# Allegro board PCIE_FIBER_BOARD-1116.brd (continued)
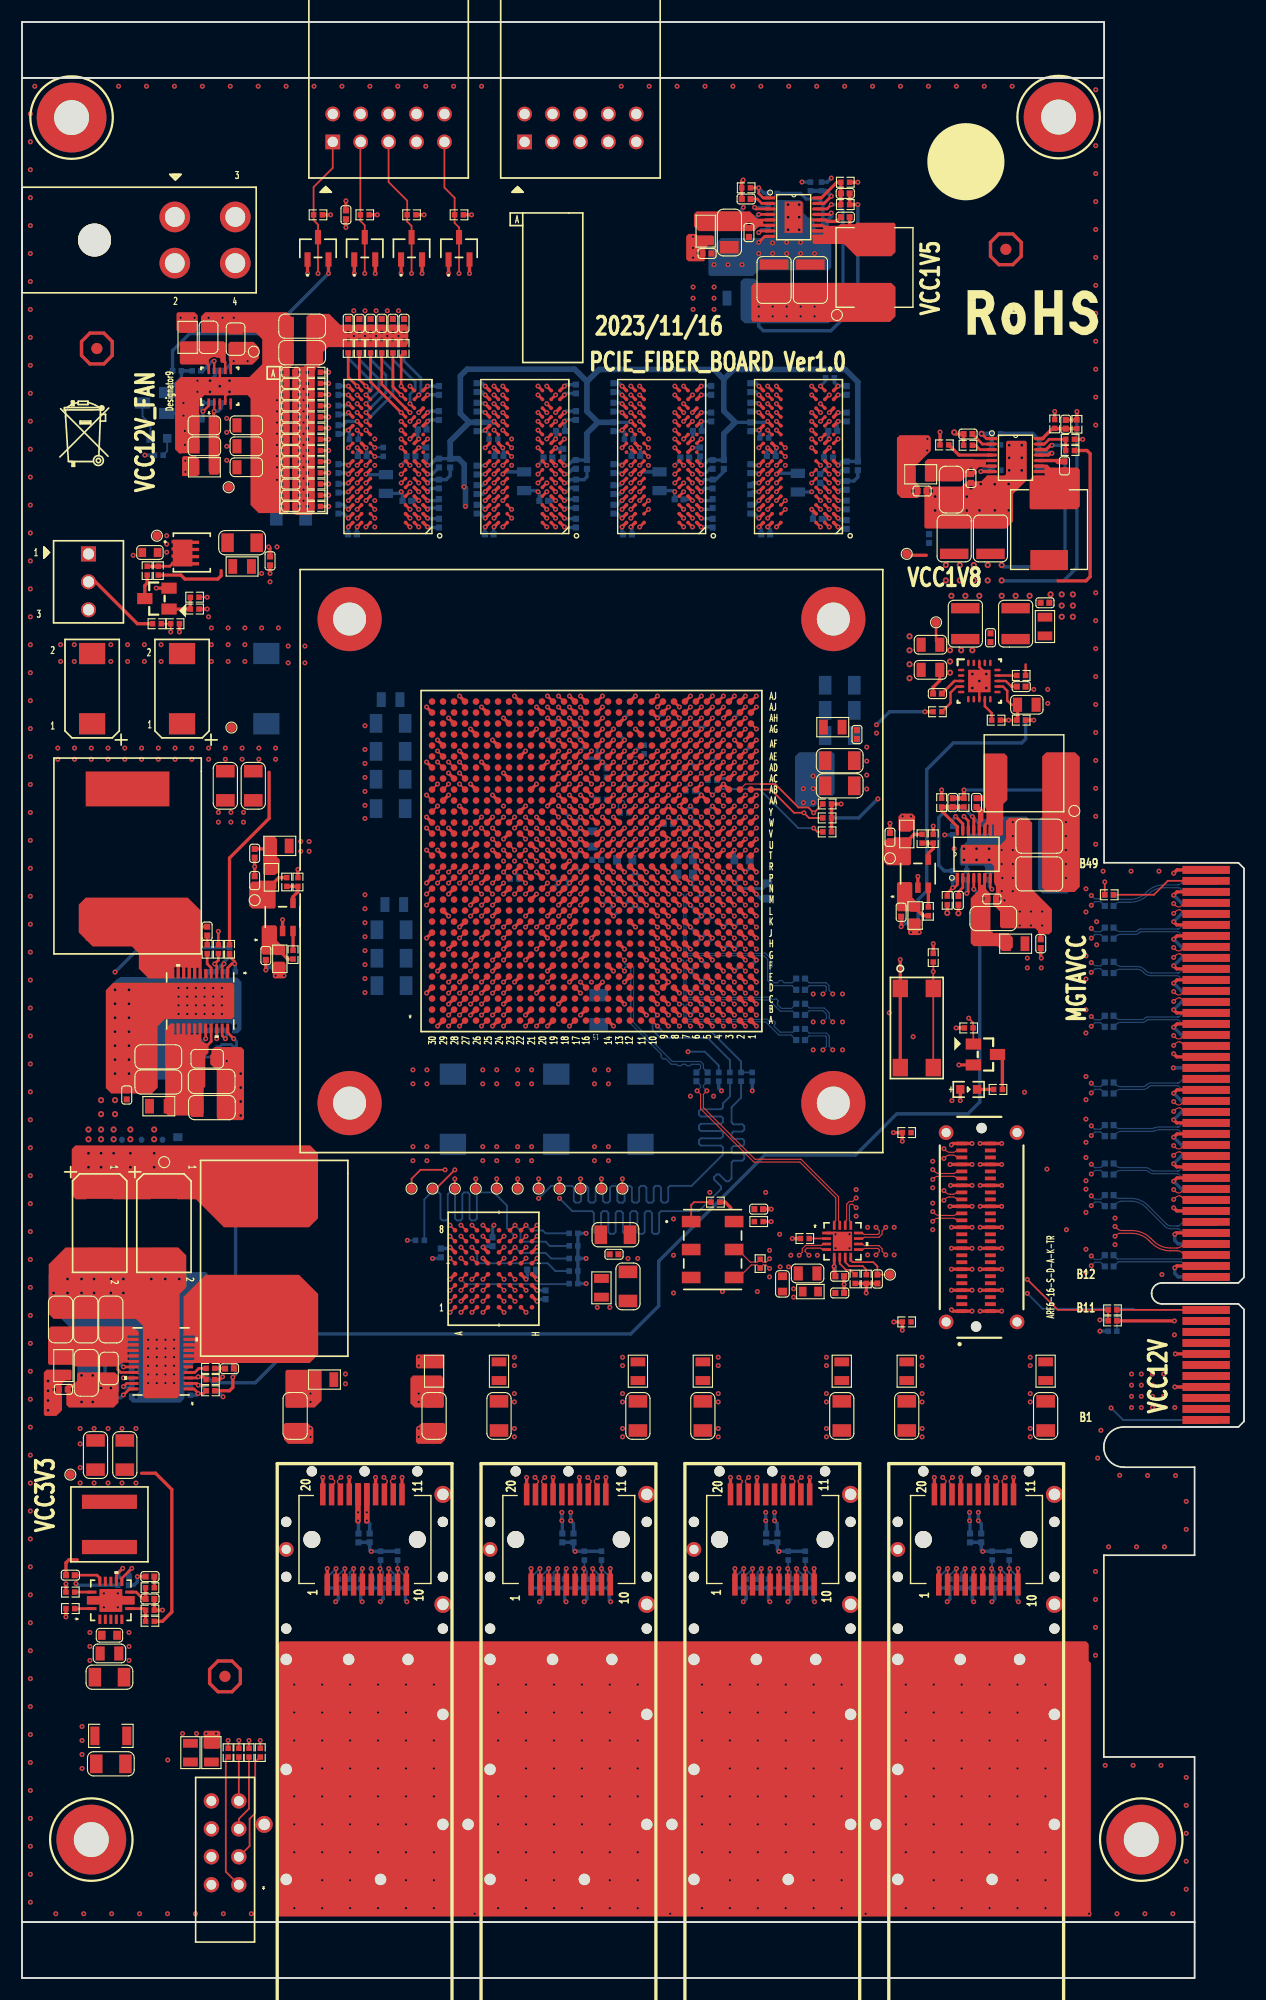
[diagram p0: board, top side]
## Routing (per net, layer and track width the routed paths; a pad name or vN(x,y) marks a point on that pad's centre or on a via; arc(x,y) is an arc through that point) (continued)
VCC1V5: length 34.6
  TOP w0.254: v1(73.61,161.2) 73.22,160.81 U116.14
  TOP w0.305: v1(76.03,161.2) R1072.2 C1192.2
  BOTTOM w0.305: 73.28,151.77 74.17,151.77 74.68,152.27 74.68,160.66 74.13,161.2 v1(73.61,161.2) ; v1(67.01,151.04) 67.01,150.15 67.43,149.73 73.57,149.73 76.03,152.18 v1(76.03,161.2)
  vias: v1(14.86,137.92) v1(14.86,136.91) v1(67.01,151.93) v1(68.28,151.93) v1(68.28,151.04) v1(69.55,151.93) v1(69.55,151.04) v1(70.82,151.93) v1(70.82,151.04) v1(72.09,151.93) v1(72.09,151.04)
VCC1V5_FPGA: length 135
  TOP w0.305: U76.F1 v1(74.23,135.9) ; v1(68.63,139.1) 68.23,139.5 U76.K8 ; U76.G7 v1(68.63,136.7) ; U76.D2 v1(73.43,134.3) ; U77.C1 v1(36.89,133.5) ; U247.AC13 v1(54.8,109.53) ; U76.K2 v1(73.43,139.9) ; U247.AK2 v1(65.8,116.53) ; U75.K8 56.18,139.1 v1(56.18,139.1) ; U76.B2 v1(73.43,132.7) ; U247.AH18 v1(48.8,114.53) ; U247.AJ5 v1(62.8,115.53) ; U78.F1 v1(49.34,135.9) ; U75.H9 v1(54.58,137.5) ; U76.H2 v1(73.43,137.5) ; U78.K8 43.73,139.1 v1(43.73,139.1) ; U77.K2 v1(36.09,139.9) ; U75.C1 v1(61.78,133.5) ; U77.A1 v1(36.89,131.9) ; U247.AF4 v1(63.8,112.53) ; U77.N1 v1(36.89,142.3) ; U77.C9 v1(29.69,133.5) ; U76.C1 v1(74.23,133.5) ; U75.A1 v1(61.78,131.9) ; U78.H9 v1(42.14,137.5) ; U76.N1 v1(74.23,142.3) ; U76.A8 v1(67.83,131.9) ; U78.D9 v1(42.13,134.3) ; U78.E9 v1(42.13,135.1) ; U77.H9 v1(29.69,137.5) ; U247.AD10 v1(57.8,110.53) ; U247.AJ15 v1(52.8,115.53) ; U77.K8 v1(31.29,139.1) ; U75.N9 v1(54.58,142.3) ; U76.N9 v1(67.03,142.3) ; U75.R1 v1(61.78,143.9) ; U75.H2 v1(60.98,137.5) ; U77.F1 v1(36.89,135.9) ; U76.R9 v1(67.03,143.9) ; U78.C1 v1(49.34,133.5) ; U77.B2 v1(36.09,132.7) ; U75.D2 v1(60.98,134.3) ; U77.R9 v1(29.69,143.9) ; U247.AH8 v1(58.8,113.53) ; U78.C9 v1(42.13,133.5) ; U78.A1 v1(49.34,131.9) ; U75.K2 v1(60.98,139.9) ; U78.B2 v1(48.54,132.7) ; U78.N1 v1(49.34,142.3) ; U76.D9 v1(67.03,134.3) ; U75.E9 v1(54.58,135.1) ; U75.B2 v1(60.98,132.7) ; U247.AK12 v1(55.8,116.53) ; U78.K2 v1(48.54,139.9) ; U76.C9 v1(67.03,133.5) ; U78.R1 v1(49.34,143.9) ; U75.F1 v1(61.78,135.9) ; U247.AA19 v1(47.8,106.53) ; U76.R1 v1(74.23,143.9) ; U78.N9 v1(42.13,142.3) ; U76.E9 v1(67.03,135.1) ; U247.AG1 v1(65.8,112.53) ; U75.C9 v1(54.58,133.5) ; U78.A8 v1(42.93,131.9) ; U78.R9 v1(42.13,143.9) ; U247.AE7 v1(60.8,111.53) ; U75.N1 v1(61.78,142.3) ; U247.AF14 v1(53.8,112.53) ; U77.N9 v1(29.69,142.3) ; U247.AE17 v1(50.8,111.53) ; U247.AC3 v1(64.8,109.53) ; U75.R9 v1(54.58,143.9) ; U76.H9 v1(67.03,137.5) ; U77.D2 v1(36.09,134.3) ; U78.D2 v1(48.54,134.3) ; U77.A8 v1(30.49,131.9) ; U247.Y12 v1(55.8,106.53) ; U77.H2 v1(36.09,137.5) ; U75.D9 v1(54.58,134.3) ; U76.A1 v1(74.23,131.9) ; U75.A8 v1(55.38,131.9) ; U247.AB16 v1(51.8,107.53) ; U77.R1 v1(36.89,143.9) ; U77.G7 v1(31.29,136.7) ; U78.H2 v1(48.53,137.5) ; U75.G7 v1(56.18,136.7) ; U77.D9 v1(29.69,134.3) ; U78.G7 v1(43.73,136.7) ; U247.AA9 v1(58.8,107.53) ; U77.E9 v1(29.69,135.1) ; U247.AG11 v1(55.8,113.53)
  BOTTOM w0.254: 64.31,109.04 63.37,109.04 R163.1
  BOTTOM w0.305: v1(48.53,137.5) 48.36,137.68 48.36,138.09 C618.1 ; v1(61.78,131.9) 62.76,131.9 C530.1 ; C531.1 61.79,143.91 v1(61.78,143.9) ; C515.1 55.3,109.03 v1(54.8,109.53) ; v1(29.69,133.5) 29.27,133.92 C582.1 ; v1(73.43,137.5) 73.39,137.5 C557.1 ; C516.1 58.34,113.99 v1(58.8,113.53) ; C607.1 49.46,133.62 v1(49.34,133.5) ; C572.1 v1(74.23,142.3) ; C517.1 63.3,112.03 v1(63.8,112.53) ; C529.1 54.48,137.6 v1(54.58,137.5) ; C566.1 68.7,136.78 v1(68.63,136.7) ; C538.1 54.49,142.39 v1(54.58,142.3) ; v1(49.34,135.9) 49.58,135.9 49.88,136.2 C611.1 51.13,136.2 51.39,136.46 C576.1 ; C560.1 74.23,133.5 v1(74.23,133.5) ; C512.1 60.3,111.03 v1(60.8,111.53) ; C592.1 35.79,137.8 v1(36.09,137.5) ; v1(56.18,139.1) 56.23,139.04 C543.1 ; v1(42.13,133.5) 41.72,133.92 C610.1 ; C187.1 63.83,136.94 63.09,136.2 C533.1 62.08,136.2 v1(61.78,135.9) ; v1(60.98,134.3) 60.88,134.4 C535.1 ; v1(67.03,142.3) 66.94,142.39 C569.1 ; v1(73.43,132.7) 73.35,132.63 C571.1 ; v1(36.09,134.3) 36.07,134.28 C579.1 ; C513.1 U247.AK12 v1(55.8,116.53) ; C536.1 62.7,133.5 v1(61.78,133.5) ; v1(42.13,142.3) 42.05,142.39 C609.1 ; C614.1 49.47,144.04 v1(49.34,143.9) ; C617.1 48.51,134.28 v1(48.54,134.3) ; C540.1 61.02,139.94 v1(60.98,139.9) ; v1(65.8,112.53) 66.27,113 C511.1 ; v1(42.13,143.9) 41.87,144.16 C619.1 ; v1(73.43,139.9) 73.34,139.98 C565.1 ; C616.1 43.94,136.91 v1(43.73,136.7) ; v1(67.03,135.1) 66.45,135.1 C556.1 ; v1(36.89,142.3) 37.02,142.42 C589.1 ; C250.1 56.39,136.91 v1(56.18,136.7) ; v1(65.8,116.53) 65.3,116.03 C510.1 ; R162.1 55.19,105.92 v1(55.8,106.53) ; v1(54.58,135.1) 54.37,134.89 C534.1 ; v1(42.14,137.5) 42.11,137.47 C612.1 ; v1(58.8,107.53) 58.26,106.99 C518.1 ; C528.1 60.68,137.8 v1(60.98,137.5) ; C581.1 31.34,139.04 v1(31.29,139.1) ; C587.1 30.45,131.86 v1(30.49,131.9) ; C519.1 62.3,115.03 v1(62.8,115.53) ; v1(36.89,143.9) 36.9,143.91 C591.1 ; C539.1 v1(61.78,142.3) ; v1(49.34,142.3) 49.46,142.42 C608.1 ; C621.1 48.58,139.94 v1(48.54,139.9) ; v1(36.09,139.9) 36,139.98 C593.1 ; C594.1 36.94,131.85 v1(36.89,131.9) ; v1(42.13,135.1) 41.93,134.89 C615.1 ; 64.31,109.04 v1(64.8,109.53) ; C532.1 54.31,144.16 v1(54.58,143.9) ; C544.1 76.03,136.44 75.66,136.07 C561.1 74.4,136.07 v1(74.23,135.9) ; C562.1 74.41,131.72 v1(74.23,131.9) ; v1(67.03,143.9) 66.76,144.16 C567.1 ; v1(53.8,112.53) 53.76,112.53 C509.1 ; v1(68.63,139.1) 68.63,139.1 68.55,139.02 C559.1 ; v1(48.8,114.53) 48.3,114.03 C508.1 ; C588.1 31.34,136.65 v1(31.29,136.7) ; v1(36.89,133.5) 37.01,133.62 C580.1 ; v1(29.69,137.5) 29.59,137.6 C590.1 ; v1(67.83,131.9) 68.04,131.68 C558.1 ; v1(50.8,111.53) 51.24,111.97 C514.1 ; C570.1 74.24,143.91 v1(74.23,143.9) ; v1(29.69,135.1) 29.61,135.02 C583.1 ; v1(43.73,139.1) 43.79,139.04 C620.1 ; C586.1 29.68,143.91 v1(29.69,143.9) ; v1(55.38,131.9) 55.47,131.81 C542.1 ; v1(29.69,142.3) 29.52,142.13 C584.1 ; v1(54.58,134.3) 54.2,133.92 C541.1 ; v1(67.03,137.5) 66.34,137.5 C568.1 ; v1(67.03,134.3) 66.64,133.92 C564.1 ; v1(51.8,107.53) 52.2,107.13 R160.1 ; C606.1 42.9,131.86 v1(42.93,131.9) ; C622.1 49.39,131.85 v1(49.34,131.9) ; C574.1 38.94,136.56 38.58,136.2 C578.1 37.19,136.2 v1(36.89,135.9)
  vias: v1(61.04,153.71) v1(61.04,152.69) v1(61.04,151.68) v1(62.95,153.71) v1(62.95,152.69) v1(62.95,151.68)
VCC1V5_MGT: length 20.6
  TOP w0.254: U119.14 86.07,105.18 v1(85.68,105.58)
  TOP w0.381: v1(85.68,107.99) R1107.2 C1223.2
  BOTTOM w0.305: v1(85.68,107.99) 93.63,107.99 96.01,105.61 96.01,101.05 v1(94.95,99.99)
  vias: v1(94.95,105.07) v1(94.95,103.8) v1(94.95,102.53) v1(94.95,101.26) v2(93.55,125.77) v2(94.57,125.77) v2(94.57,124.75) v2(94.57,123.74) v2(95.58,125.77) v2(95.58,124.75) v2(95.58,123.74)
VCC1V5_PG: length 219.9
  ART10 w0.305: v1(4.91,35.85) 3.91,36.85 3.91,58.39 6.6,61.09 16.13,61.09 19.68,64.64 19.68,76.1 11.94,83.85 11.94,90.78 2.29,100.43 2.29,160.66 6.09,164.46 69.74,164.46 v1(70.95,163.25)
  BOTTOM w0.305: R1075.1 v1(70.95,163.25) ; R1220.1 5.05,35.71 v1(4.91,35.85)
VCC1V8: length 181.8
  TOP w0.305: v1(79.88,92.57) SW8.1 SW8.2 ; D2.2 v1(40.7,154.94) ; R456.1 v1(28.07,160.27) ; D4.2 v1(32.13,154.94) ; v1(93.68,139.33) 93.56,139.33 93.16,138.93 U115.14 ; D5.2 v1(27.88,154.94) ; R395.1 v1(84.96,86.36) ; C1180.2 R1057.2 v1(95.95,142.4) ; R1058.1 96.86,138.85 97.16,138.56 97.16,127.38 96.77,127 94.23,127 ; D3.2 v1(36.39,154.94) ; R1222.1 v1(4,35.83) ; 82.25,129.32 80.6,129.32 TP43.1 ; R455.1 v1(32.32,160.27) ; R1233.1 v1(40.89,160.27) ; R1234.1 v1(36.58,160.27) ; R1112.1 v1(82.12,115.1) ; C505.1 v1(29.46,161.54)
  ART10 w0.305: v1(4,35.83) 4,35.75 4.57,35.18 6.1,35.18 28.86,57.94 46.66,57.94 50.09,61.37 50.09,61.9 v1(51.31,63.12)
  BOTTOM w0.305: v2(89.11,127.04) 89.15,127 94.74,127 95.95,128.21 v1(95.95,142.4) ; R1154.1 v1(51.31,65.41) ; R1154.1 R1155.1 R1152.1 v1(51.31,63.12) ; R1154.1 R1153.1 R1156.1 v1(51.31,67.69) ; R220.1 13.7,147.94 15.24,149.48 22.42,149.48 v1(27.88,154.94) ; v1(82.12,115.1) 78.91,115.1 v1(77.72,113.92) ; v1(93.68,139.33) 94.48,139.33 94.87,138.94 94.87,129.16 93.98,128.27 89.27,128.27 v2(89.11,128.44) ; v1(63.63,80.64) 63.37,80.9 R42.1 ; R1074.1 73.25,163.25 v1(73.61,163.61) ; v1(77.85,107.19) 76.11,105.45 R340.2 ; R341.2 R340.2 ; R340.2 R342.2 ; R4.1 v1(66.42,80.64) ; R1109.1 v1(83.92,103.91)
  vias: v1(77.72,113.16) v2(84.03,128.44) v2(84.03,127.04) v2(85.3,128.44) v2(85.3,127.04) v2(86.57,128.44) v2(86.57,127.04) v2(87.84,128.44) v2(87.84,127.04)
VCC1V8_FPGA: length 14.9
  TOP w0.305: U247.M26 v1(40.8,97.53) ; U247.P20 v1(46.8,100.53) ; U247.V28 v1(38.8,104.53) ; U247.T9 v1(58.8,102.53) ; U247.T24 v1(42.8,102.53) ; U247.Y22 v1(45.8,106.53) ; v1(42.8,105.53) U247.W25 ; U247.N23 v1(43.8,98.53) ; U247.AF24 v1(42.8,112.53) ; U247.AG21 v1(46.8,113.53) ; U247.J25 v1(41.8,94.53) ; U247.P30 v1(36.8,99.53) ; U247.K22 v1(44.8,95.53) ; U247.AD20 v1(47.8,110.53) ; U247.AC23 v1(43.8,109.53) ; U247.AK22 v1(44.8,116.53) ; U247.R27 v1(39.8,100.53) ; U247.U21 v1(46.8,102.53) ; U247.L29 v1(38.8,96.53) ; U247.AB6 v1(61.8,108.53)
  ART03 w0.305: v1(61.8,108.53) 61.29,108.03
VCC1V8_PG: length 43.4
  TOP w0.305: R1060.1 v1(96.48,139.87)
  ART10 w0.305: v1(65.61,160.95) 65.61,157.3 66.7,156.21 78.76,156.21 95.1,139.87 v1(96.48,139.87)
  BOTTOM w0.305: v1(65.61,160.95) 65.47,160.8 R1067.1
VCC2V5: length 1.5
  TOP w0.305: C2492.1 22.33,102.64 L248.1
VCC3V3: length 99.6
  TOP w0.305: 10.88,45.89 12.15,45.89 13.63,44.4 13.63,33.27 12.78,32.42 R1221.1 ; L243.2 v1(68.14,68.76) ; R1115.1 v1(92.03,114.34) ; R1210.1 v1(14.32,122.36) ; DS10.1 v1(85.35,79.76)
  BOTTOM w0.305: v1(72.09,34.2) 71.96,34.33 R1195.1 R1196.1 R1194.1 ; v1(51.13,34.2) 51.39,34.46 R1179.1 ; R1171.1 R1172.1 ; R1172.1 28.78,34.46 v1(28.53,34.2) ; R1172.1 R1170.1 R1169.1 ; v1(68.02,34.2) 67.9,34.33 R1189.1 ; v1(92.03,114.34) R1115.1 91.29,112.62 90.93,112.27 84.71,112.27 82.3,109.86 82.3,98.81 81.51,98.02 C2505.2 81.51,95.16 v1(81.61,95.05) ; R1194.1 R1193.1 R1189.1 ; R1194.1 69.93,34.46 v1(69.68,34.2) ; R1159.1 86.44,34.33 v1(86.57,34.2) ; R1159.1 R1163.1 R1164.1 ; R1159.1 R1160.1 R1162.1 ; v1(47.07,34.2) 47.32,34.46 R1183.1 ; R1179.1 R1184.1 R1180.1 ; R1179.1 R1186.1 R1185.1 53.42,34.33 v1(53.55,34.2) ; R1189.1 R1190.1 R1192.1 ; v1(32.59,34.2) 32.85,34.46 R1174.1 ; R1174.1 R1173.1 R1169.1 ; R1174.1 R1176.1 R1175.1 34.88,34.33 v1(35.01,34.2) ; R1164.1 88.47,34.46 v1(88.22,34.2) ; R1164.1 R1166.1 R1165.1 90.5,34.33 v1(90.63,34.2) ; v1(23.83,91.12) 23.72,91.22 C2502.2 ; R1180.1 49.36,34.33 v1(49.48,34.2) ; R1180.1 R1181.1 R1183.1 ; R1183.1 R1182.1 ; v1(30.94,34.2) 30.81,34.33 R1169.1 ; R1236.1 v1(98.04,58.8) ; R1192.1 65.87,34.46 v1(65.61,34.2) ; R1192.1 R1191.1 ; v1(84.15,34.2) 84.41,34.46 R1162.1 ; R1161.1 R1162.1 ; R87.1 v1(11.18,138.43)
  vias: v1(5.29,46.39) v1(5.29,45) v1(6.56,45) v1(7.83,45) v1(9.1,45) v1(10.37,45) v1(14.43,150.91) v1(14.61,22.23) v1(15.7,150.91) v1(15.88,22.23) v1(23.07,91.12) v1(29.42,54.9) v1(29.42,54.01) v1(31.2,98.46) v1(31.2,97.19) v1(36.08,56.43) v1(36.08,55.66) v1(44.78,56.43) v1(44.78,55.66) v1(54.63,56.43) v1(54.63,55.66) v1(63.33,56.43) v1(63.33,55.66) v1(70.18,62.65) v1(70.18,61.89) v1(73.17,56.43) v1(73.17,55.66) v1(80.85,95.05) v1(81.87,56.43) v1(81.87,55.66) v1(84.58,79.76) v1(91.71,56.43) v1(91.71,55.66)
VCC3V3_C_BUF1: length 8.8
  TOP w0.254: U251.5 73.88,64.69 v1(73.87,64.68)
  TOP w0.305: R1206.1 v1(70.06,67.22) ; v1(73.87,64.68) 73.87,64.18 73.98,64.07 C2485.2
  ART03 w0.305: v1(70.06,67.22) 72.1,67.22 73.87,65.45 v1(73.87,64.68)
  BOTTOM w0.305: C2485.2 73.98,64.57 v1(73.87,64.68)
VCC3V3_FPGA: length 14.1
  TOP w0.305: U247.L19 v1(47.8,96.53) ; U247.G21 v1(45.8,92.53) ; U247.AB26 v1(40.8,108.53) ; U247.H28 v1(38.8,93.53) ; U247.C23 v1(43.8,88.53) ; U247.D30 v1(36.8,89.53) ; U247.AE27 v1(39.8,111.53) ; U247.A29 v1(37.8,86.53) ; U247.AA29 v1(38.8,107.53) ; U247.E27 v1(39.8,90.53) ; U247.B16 v1(50.8,87.53) ; U247.B26 v1(40.8,87.53) ; U247.F24 v1(42.8,91.53) ; U247.AH28 v1(38.8,114.53) ; U247.D20 v1(46.8,89.53) ; U247.A19 v1(47.8,86.53) ; U247.AD30 v1(36.8,110.53) ; U247.E17 v1(49.8,90.53) ; U247.AJ25 v1(41.8,115.53) ; U247.H18 v1(48.8,93.53)
VCC12V_FAN:
  vias: v1(13.16,131.1) v1(13.16,130.34) v1(13.16,129.6)
VCC12V_FAN_EN: length 66.3
  TOP w0.165: U247.J23 v1(43.8,94.53) ; R1212.2 v1(16.84,125.51)
  ART10 w0.117: v1(16.84,125.51) 16.3,124.97 13.72,124.97 12.95,124.21 12.95,122.17 22.73,112.39 32,112.39 32.38,112.01 38.1,112.01 39.12,111 42.29,111 43.18,110.11 43.18,109.47 43.56,109.09 44.96,109.09 46.86,107.19 46.86,106.39 48.37,104.88 48.37,104.16 48.51,104.01 48.9,104.01 49.28,103.63 49.28,98.17 49.15,98.04 48.07,98.04 47.05,97.03 45.21,97.03 44.32,96.14 44.32,95.05 v1(43.8,94.53)
VCC12V_IN: length 13
  TOP w0.305: v1(92.71,92.71) 92.66,92.76 C1218.2 ; C2489.2 v1(22.56,127.67)
  BOTTOM w0.305: R1045.1 10.68,93.66 v1(8.46,91.44)
  vias: v1(9.73,31.41) v1(9.73,30.14) v1(9.73,28.87) v1(21.8,127.67) v1(22.56,126.91) v1(61.04,158.28) v1(61.04,157.26) v1(61.04,156.38) v1(82.35,139.91) v1(82.33,138.85) v1(91.44,92.71) v1(91.44,91.82) v1(92.71,91.82) v1(100.92,54.9) v1(100.92,53.89) v1(100.92,52.87) v1(100.92,51.85) v1(101.81,54.9) v1(101.81,53.89) v1(101.81,52.87) v1(101.81,51.85) v1(102.82,54.9) v1(102.82,53.89) v1(102.82,52.87) v1(102.82,51.85) v1(103.84,54.9) v1(103.84,52.87) v1(103.84,51.85) v1(104.86,51.85) v2(2.37,54.27) v2(2.37,53.38) v2(2.37,52.49) v2(2.37,51.6) v2(7.19,79.79) v2(7.19,78.52) v2(8.46,79.79) v2(8.46,78.52)
VCC_2V5_FPGA: length 4.2
  TOP w0.305: U247.G11 v1(56.8,92.53) ; U247.C13 v1(54.8,88.53) ; U247.J15 v1(51.8,94.53) ; U247.F14 v1(53.8,91.53) ; U247.D10 v1(57.8,89.53) ; U247.K12 v1(55.8,95.53)
  vias: v1(25.35,103.31) v1(25.35,102.42) v1(26.12,103.31) v1(26.12,102.42)
VCCAUX: length 8.6
  TOP w0.305: U247.W14 v1(52.8,105.53) ; U247.V13 v1(54.8,104.53) ; U247.W12 v1(55.8,105.53) ; U247.C10 v1(57.8,88.53) ; U247.P13 v1(54.8,99.53) ; U247.T13 v1(54.8,102.53) ; U247.W10 v1(57.8,105.53) ; U247.V15 v1(52.8,104.53) ; U247.V11 v1(56.8,104.53)
  BOTTOM w0.305: v1(54.8,99.53) 54.33,100 C419.1 ; v1(54.8,104.53) 54.29,104.02 C422.1 ; C420.1 56.3,104.03 v1(56.8,104.53)
  vias: v1(71.07,108.12) v1(71.07,106.85) v1(71.96,109.26) v1(71.96,108.12) v1(71.96,106.85)
VCCINT_FPGA: length 44.9
  TOP w0.305: R1047.2 18.88,101.81 22.48,105.41 22.48,109.6 ; U247.N14 v1(53.8,98.53) ; U247.U12 v1(55.8,103.53) ; U247.P17 v1(49.8,99.53) ; U247.M11 v1(56.8,97.53) ; U247.V17 v1(49.8,104.53) U247.W18 ; U247.M17 v1(49.8,97.53) ; U247.R16 v1(50.8,100.53) ; U247.N12 v1(55.8,98.53) ; U247.T11 v1(56.8,102.53) ; U247.P11 v1(56.8,99.53) ; U247.N16 v1(50.8,98.53) ; U247.U18 v1(48.8,103.53) ; U247.T17 v1(49.8,102.53) ; U247.U10 v1(57.8,103.53) ; U247.W16 v1(50.8,105.53) ; U247.R10 v1(57.8,100.53) ; U247.R18 v1(49.8,101.53) ; U247.R12 v1(55.8,100.53) ; U247.U16 v1(50.8,103.53) ; U247.M15 v1(52.8,97.53) ; U247.M13 v1(54.8,97.53) ; U247.N18 v1(48.8,98.53) ; U247.N10 v1(57.8,98.53)
  BOTTOM w0.305: C151.1 49.3,100.03 v1(49.8,99.53) 49.32,99.05 C500.1 48.83,98.53 v1(48.8,98.53) ; v1(52.8,97.53) 53.27,98 C153.1 ; v1(49.8,104.53) 49.3,105.03 C502.1 ; C501.1 55.27,98 v1(54.8,97.53) ; C504.1 56.3,98.03 v1(55.8,98.53) ; C152.1 50.34,100.99 v1(50.8,100.53) ; v1(48.8,103.53) 49.27,103.06 C503.1 ; v1(50.8,103.53) 50.33,103.06 C498.1 ; C499.1 49.3,101.03 v1(49.8,101.53) ; C497.1 54.3,98.03 v1(53.8,98.53) ; v1(50.8,105.53) 50.33,105.06 C150.1 ; C496.1 56.3,100.03 v1(55.8,100.53) 55.3,100.03 C495.1
  vias: v1(3.26,111.8) v1(3.26,110.78) v1(4.78,111.8) v1(4.78,110.78) v1(6.3,111.8) v1(6.3,110.78) v1(7.83,111.8) v1(7.83,110.78) v1(9.35,111.8) v1(9.35,110.78) v1(10.88,111.8) v1(10.88,110.78) v1(12.4,111.8) v1(12.4,110.78) v1(13.92,111.8) v1(13.92,110.78) v1(15.45,111.8) v1(15.45,110.78) v1(16.97,111.8) v1(16.97,110.78) v1(18.5,111.8) v1(18.5,110.78) v1(20.02,111.8) v1(20.02,110.78) v1(21.54,111.8) v1(21.54,110.78) v1(23.07,111.8) v1(23.07,110.78) v1(35.56,82.55) v1(35.56,81.28) v1(36.83,82.55) v1(36.83,81.28) v1(41.91,82.55) v1(41.91,81.28) v1(43.18,82.55) v1(43.18,81.28) v1(45.09,82.55) v1(45.09,81.28) v1(46.35,82.55) v1(46.35,81.28) v1(52.07,82.55) v1(52.07,81.28) v1(53.34,82.55) v1(53.34,81.28)
VCCINT_FPGA_PG: length 216
  TOP w0.254: U113.3 17.71,92 v1(17.53,92.18) 17.86,92.51 R1041.2
  TOP w0.305: R1059.1 v1(83.5,140.53)
  ART10 w0.305: v1(18.29,52.83) 21.13,55.67 21.13,88.59 v1(17.53,92.18) 17.53,92.46 19.56,94.49 19.56,97.66 10.48,106.73 8.07,106.73 4.19,110.62 4.19,159.89 7.75,163.45 58.67,163.45 67.13,154.99 74.5,154.99 83.5,145.99 v1(83.5,140.53)
  BOTTOM w0.305: v1(18.29,52.83) 17.74,53.38 R1101.2
BPI_FLASH_A_0: length 79.5
  TOP w0.165: U247.W22 v1(44.8,104.53) ; U248.A1 v1(38.93,60.51)
  ART03 w0.117: v1(44.8,104.53) 43.57,104.53 43.05,104.01 42.55,104.01 42.22,103.69 33.84,103.69 25.63,95.48 25.63,81.34 25.75,81.23 26.58,81.23 26.7,81.11 26.7,80.88 26.58,80.76 25.75,80.76 25.63,80.64 25.63,80.41 25.75,80.29 26.58,80.29 26.7,80.18 26.7,79.94 26.58,79.83 25.75,79.83 25.63,79.71 25.63,78.48 30.43,73.68 30.43,67.62 30.88,67.17 30.88,67 30.35,66.47 30.35,66.3 30.51,66.14 30.68,66.14 31.21,66.67 31.37,66.67 31.54,66.5 31.54,66.34 31.01,65.81 31.01,65.64 31.17,65.48 31.34,65.48 31.87,66.01 32.04,66.01 32.2,65.84 32.2,65.68 31.67,65.15 31.67,64.98 31.84,64.81 32,64.81 32.53,65.35 32.7,65.35 32.86,65.18 32.86,65.02 32.33,64.48 32.33,64.32 32.5,64.15 32.66,64.15 33.19,64.69 33.36,64.69 33.52,64.52 33.52,64.35 32.99,63.82 32.99,63.66 33.16,63.49 33.32,63.49 33.86,64.02 34.02,64.02 34.19,63.86 34.19,63.69 33.65,63.16 33.65,63 33.82,62.83 33.99,62.83 34.52,63.36 34.68,63.36 37.53,60.51 v1(38.93,60.51)
BPI_FLASH_A_1: length 77
  TOP w0.165: U248.B1 v1(39.93,60.51) ; U247.W21 v1(45.8,105.53)
  ART10 w0.117: v1(39.93,60.51) 39.47,60.05 38.92,60.05 37.12,60.79 30.93,66.98 30.93,74.88 26.93,78.87 26.93,81.55 27.05,81.66 27.51,81.66 27.63,81.78 27.63,82.02 27.51,82.13 27.05,82.13 26.93,82.25 26.93,82.48 27.05,82.6 27.51,82.6 27.63,82.72 27.63,82.95 27.51,83.07 27.05,83.07 26.93,83.18 26.93,83.42 27.05,83.53 27.51,83.53 27.63,83.65 27.63,83.88 27.51,84 27.05,84 26.93,84.12 26.93,97.11 29.82,104.08 30.65,104.9 31.17,104.9 33.68,105.94 34.8,107.06 40.5,107.06 40.62,106.94 40.62,106.47 40.74,106.35 40.97,106.35 41.09,106.47 41.09,106.94 41.21,107.06 41.44,107.06 41.56,106.94 41.56,106.47 41.67,106.35 41.91,106.35 42.02,106.47 42.02,106.94 42.14,107.06 42.37,107.06 42.49,106.94 42.49,106.47 42.61,106.35 42.84,106.35 42.96,106.47 42.96,106.94 43.07,107.06 44.32,107.06 45.8,105.59 v1(45.8,105.53)
BPI_FLASH_A_2: length 79.6
  TOP w0.165: U247.V24 v1(42.8,104.53) ; U248.C1 v1(40.93,60.51)
  ART03 w0.117: v1(40.93,60.51) 40.23,59.82 36.01,59.82 35.55,60.28 35.55,60.44 36.28,61.18 36.28,61.34 36.12,61.51 35.95,61.51 35.22,60.78 35.05,60.78 34.89,60.94 34.89,61.11 35.62,61.84 35.62,62.01 35.46,62.17 35.29,62.17 34.56,61.44 34.39,61.44 34.23,61.6 34.23,61.77 34.96,62.5 34.96,62.67 34.79,62.83 34.63,62.83 33.9,62.1 33.73,62.1 29.89,65.94 29.89,73.68 25.12,78.44 25.12,96.24 25.84,96.96 26,96.96 26.15,96.81 26.31,96.81 26.48,96.98 26.48,97.14 26.33,97.29 26.33,97.45 26.5,97.62 26.66,97.62 26.81,97.48 26.97,97.48 27.14,97.64 27.14,97.81 26.99,97.95 26.99,98.11 27.16,98.28 27.32,98.28 27.47,98.14 27.63,98.14 27.8,98.3 27.8,98.47 27.66,98.61 27.66,98.78 27.82,98.94 27.99,98.94 28.13,98.8 28.29,98.8 28.46,98.96 28.46,99.13 28.32,99.27 28.32,99.44 28.48,99.6 28.65,99.6 28.79,99.46 28.96,99.46 29.12,99.62 29.12,99.79 28.98,99.93 28.98,100.1 29.14,100.26 29.31,100.26 29.45,100.12 29.62,100.12 29.78,100.29 29.78,100.45 29.64,100.59 29.64,100.76 29.81,100.93 29.97,100.93 30.11,100.78 30.28,100.78 30.44,100.95 30.44,101.11 30.3,101.26 30.3,101.42 32.95,104.07 42.09,104.07 42.55,104.53 v1(42.8,104.53)
BPI_FLASH_A_3: length 79.3
  TOP w0.165: U248.D1 v1(41.93,60.51) ; U247.U24 v1(42.8,103.53)
  ART03 w0.117: v1(41.93,60.51) 41.35,61.09 37.47,61.09 30.79,67.77 30.79,73.93 27.01,77.71 27.01,81.68 26.89,81.8 26.16,81.8 26.05,81.92 26.05,82.15 26.16,82.27 26.89,82.27 27.01,82.38 27.01,82.7 26.89,82.82 26.13,82.82 26.01,82.94 26.01,83.17 26.13,83.29 26.89,83.29 27.01,83.41 27.01,83.64 26.89,83.76 26.13,83.76 26.01,83.87 26.01,84.11 26.13,84.22 26.89,84.22 27.01,84.34 27.01,84.57 26.89,84.69 26.13,84.69 26.01,84.81 26.01,85.04 26.13,85.16 26.89,85.16 27.01,85.27 27.01,85.51 26.89,85.63 26.13,85.63 26.01,85.74 26.01,85.98 26.13,86.09 26.89,86.09 27.01,86.21 27.01,86.44 26.89,86.56 26.13,86.56 26.01,86.68 26.01,86.91 26.13,87.03 26.89,87.03 27.01,87.14 27.01,87.38 26.89,87.49 26.13,87.49 26.01,87.61 26.01,87.85 26.13,87.96 26.89,87.96 27.01,88.08 27.01,88.31 26.89,88.43 26.13,88.43 26.01,88.55 26.01,88.78 26.13,88.9 26.89,88.9 27.01,89.01 27.01,89.25 26.89,89.36 26.13,89.36 26.01,89.48 26.01,95.22 34.09,103.31 42.22,103.31 42.44,103.53 v1(42.8,103.53)
BPI_FLASH_A_4: length 77.6
  TOP w0.165: U247.V22 v1(45.8,103.53) ; U248.D2 v1(41.93,61.51)
  ART10 w0.117: v1(41.93,61.51) 41.47,61.05 41.47,60.41 40.82,59.75 38.86,59.75 36.96,60.54 30.63,66.87 30.63,74.6 26.62,78.61 26.62,97.23 29.58,104.37 31.03,105.82 36.17,107.95 43.43,107.95 46.04,106.87 46.29,106.62 46.29,104.18 45.8,103.69 v1(45.8,103.53)
BPI_FLASH_A_5: length 80
  TOP w0.165: U248.A2 v1(38.93,61.51) ; U247.V21 v1(45.8,104.53)
  ART03 w0.117: v1(38.93,61.51) 37.48,61.51 31.14,67.85 31.14,74.44 27.3,78.28 27.3,82.03 27.42,82.15 28.13,82.15 28.24,82.27 28.24,82.5 28.13,82.62 27.42,82.62 27.3,82.74 27.3,82.97 27.42,83.09 28.13,83.09 28.24,83.2 28.24,83.44 28.13,83.55 27.42,83.55 27.3,83.67 27.3,83.9 27.42,84.02 28.13,84.02 28.24,84.14 28.24,84.37 28.13,84.49 27.42,84.49 27.3,84.61 27.3,84.84 27.42,84.96 28.13,84.96 28.24,85.07 28.24,85.31 28.13,85.42 27.42,85.42 27.3,85.54 27.3,89.77 27.19,89.89 26.46,89.89 26.35,90 26.35,90.24 26.46,90.36 27.19,90.36 27.3,90.47 27.3,90.71 27.19,90.82 26.46,90.82 26.35,90.94 26.35,91.17 26.46,91.29 27.19,91.29 27.3,91.41 27.3,91.64 27.19,91.76 26.46,91.76 26.35,91.87 26.35,92.11 26.46,92.22 27.19,92.22 27.3,92.34 27.3,92.58 27.19,92.69 26.46,92.69 26.35,92.81 26.35,93.04 26.46,93.16 27.19,93.16 27.3,93.28 27.3,93.51 27.19,93.63 26.46,93.63 26.35,93.74 26.35,93.98 26.46,94.09 27.19,94.09 27.3,94.21 27.3,94.44 27.19,94.56 26.46,94.56 26.35,94.68 26.35,94.91 26.46,95.03 27.19,95.03 27.3,95.15 27.3,96.01 34.23,102.94 42.81,102.94 43.31,103.43 43.31,103.76 43.56,104.01 45.09,104.01 45.6,104.53 v1(45.8,104.53)
BPI_FLASH_A_6: length 79.2
  TOP w0.165: U247.U23 v1(44.8,102.53) ; U248.C2 v1(40.93,61.51)
  ART03 w0.117: v1(44.8,102.53) 44.28,102.01 43.61,102.01 43.41,101.8 34.07,101.8 31.86,99.59 31.86,98.33 31.42,97.9 30.97,97.9 30.44,97.37 30.44,97.2 30.74,96.89 30.74,96.73 30.58,96.56 30.41,96.56 30.11,96.87 29.94,96.87 29.78,96.7 29.78,96.54 30.08,96.23 30.08,96.07 29.92,95.9 29.75,95.9 29.44,96.21 29.28,96.21 29.11,96.04 29.11,95.88 29.42,95.57 29.42,95.41 29.26,95.24 29.09,95.24 28.78,95.55 28.62,95.55 27.91,94.84 27.91,89.16 29.08,87.99 29.08,84.09 29.3,83.86 29.47,83.86 29.85,84.24 30.01,84.24 30.18,84.07 30.18,83.91 29.8,83.53 29.8,83.37 32.32,80.85 32.32,77.49 32.2,77.37 31.03,77.37 30.91,77.26 30.91,77.02 31.03,76.91 32.2,76.91 32.32,76.79 32.32,76.56 32.2,76.44 31.03,76.44 30.91,76.32 30.91,76.09 31.03,75.97 32.2,75.97 32.32,75.85 32.32,75.02 32.2,74.9 31.85,74.9 31.73,74.79 31.73,74.55 31.85,74.43 32.2,74.43 32.32,74.32 32.32,74.08 32.2,73.97 31.85,73.97 31.73,73.85 31.73,73.62 31.85,73.5 32.2,73.5 32.32,73.38 32.32,73.15 32.2,73.03 31.85,73.03 31.73,72.92 31.73,72.68 31.85,72.57 32.2,72.57 32.32,72.45 32.32,72.21 32.2,72.1 31.85,72.1 31.73,71.98 31.73,71.75 31.85,71.63 32.2,71.63 32.32,71.51 32.32,71.28 32.2,71.16 31.85,71.16 31.73,71.05 31.73,70.81 31.85,70.7 32.2,70.7 32.32,70.58 32.32,70.35 32.2,70.23 31.85,70.23 31.73,70.11 31.73,69.88 31.85,69.76 32.2,69.76 32.32,69.64 32.32,69.41 32.2,69.29 31.85,69.29 31.73,69.18 31.73,68.94 31.85,68.83 32.2,68.83 32.32,68.71 32.32,68.1 36.41,64.01 37.47,64.01 38.48,62.99 41.15,62.99 41.4,62.74 41.4,61.98 v1(40.93,61.51)
BPI_FLASH_A_7: length 77.2
  TOP w0.165: U247.W24 v1(43.8,105.53) ; U248.A3 v1(38.93,62.51)
  ART10 w0.117: v1(43.8,105.53) 44.33,105 45.14,105 45.36,104.77 45.36,104.23 45.11,103.98 43.79,103.98 43.78,103.99 42.51,103.99 42.31,104.2 42.31,104.91 42.19,105.03 41.53,105.03 41.15,105.41 39.88,105.41 39.77,105.29 39.77,105.23 39.65,105.11 39.42,105.11 39.3,105.23 39.3,105.29 39.18,105.41 38.95,105.41 38.83,105.29 38.83,105.23 38.71,105.11 38.48,105.11 38.36,105.23 38.36,105.29 38.25,105.41 37.49,105.41 36.97,105.94 36.63,105.94 28.76,98.07 27.95,96.1 27.95,86.14 32.91,81.18 32.91,76.62 32.2,75.92 32.2,75.53 32.32,75.41 32.83,75.41 32.94,75.3 32.94,75.06 32.83,74.95 32.32,74.95 32.2,74.83 32.2,74.6 32.32,74.48 32.83,74.48 32.94,74.36 32.94,74.13 32.83,74.01 32.32,74.01 32.2,73.89 32.2,73.66 32.32,73.54 32.83,73.54 32.94,73.43 32.94,73.19 32.83,73.08 32.32,73.08 32.2,72.96 32.2,72.73 32.32,72.61 32.83,72.61 32.94,72.49 32.94,72.26 32.83,72.14 32.32,72.14 32.2,72.03 32.2,71.79 32.32,71.67 32.83,71.67 32.94,71.56 32.94,71.32 32.83,71.21 32.32,71.21 32.2,71.09 32.2,70.86 32.32,70.74 32.83,70.74 32.94,70.62 32.94,70.39 32.83,70.27 32.32,70.27 32.2,70.16 32.2,69.92 32.32,69.81 32.83,69.81 32.94,69.69 32.94,69.45 32.83,69.34 32.32,69.34 32.2,69.22 32.2,68.99 32.32,68.87 32.83,68.87 32.94,68.75 32.94,68.52 32.83,68.4 32.32,68.4 32.2,68.29 32.2,67.49 37.18,62.51 v1(38.93,62.51)
BPI_FLASH_A_8: length 77.3
  TOP w0.165: U248.B3 v1(39.93,62.51) ; U247.W23 v1(44.8,105.53)
  ART10 w0.117: v1(39.93,62.51) 39.93,62.17 39.49,61.74 39.49,61.41 39.11,61.02 37.53,61.02 31.37,67.18 31.37,76.32 32.32,77.27 32.32,80.61 29.57,83.36 29.4,83.36 29.17,83.13 29.01,83.13 28.84,83.3 28.84,83.46 29.07,83.69 29.07,83.86 28.91,84.02 28.74,84.02 28.51,83.79 28.35,83.79 28.18,83.96 28.18,84.12 28.41,84.35 28.41,84.52 28.25,84.68 28.08,84.68 27.85,84.45 27.68,84.45 27.52,84.62 27.52,84.78 27.75,85.02 27.75,85.18 27.29,85.64 27.29,96.92 28.6,100.08 28.76,100.15 29.26,99.94 29.41,100 29.5,100.22 29.44,100.37 28.93,100.58 28.87,100.73 28.96,100.95 29.11,101.01 29.62,100.8 29.77,100.86 29.86,101.08 29.8,101.23 29.29,101.44 29.23,101.59 29.32,101.81 29.47,101.87 29.98,101.66 30.13,101.73 30.22,101.94 30.16,102.1 29.65,102.3 29.59,102.46 29.92,103.26 30.13,103.47 31.84,103.47 32.13,103.76 32.13,103.92 31.92,104.13 31.92,104.29 32.09,104.46 32.25,104.46 32.46,104.25 32.62,104.25 32.79,104.42 32.79,104.58 32.59,104.79 32.59,104.95 32.75,105.12 32.92,105.12 33.12,104.91 33.29,104.91 35.05,106.68 36.96,106.68 37.59,106.05 44.07,106.05 44.58,105.53 v1(44.8,105.53)